# Altium PCB TK2560_PCB.PcbDoc (part 1 of 3) (continued)
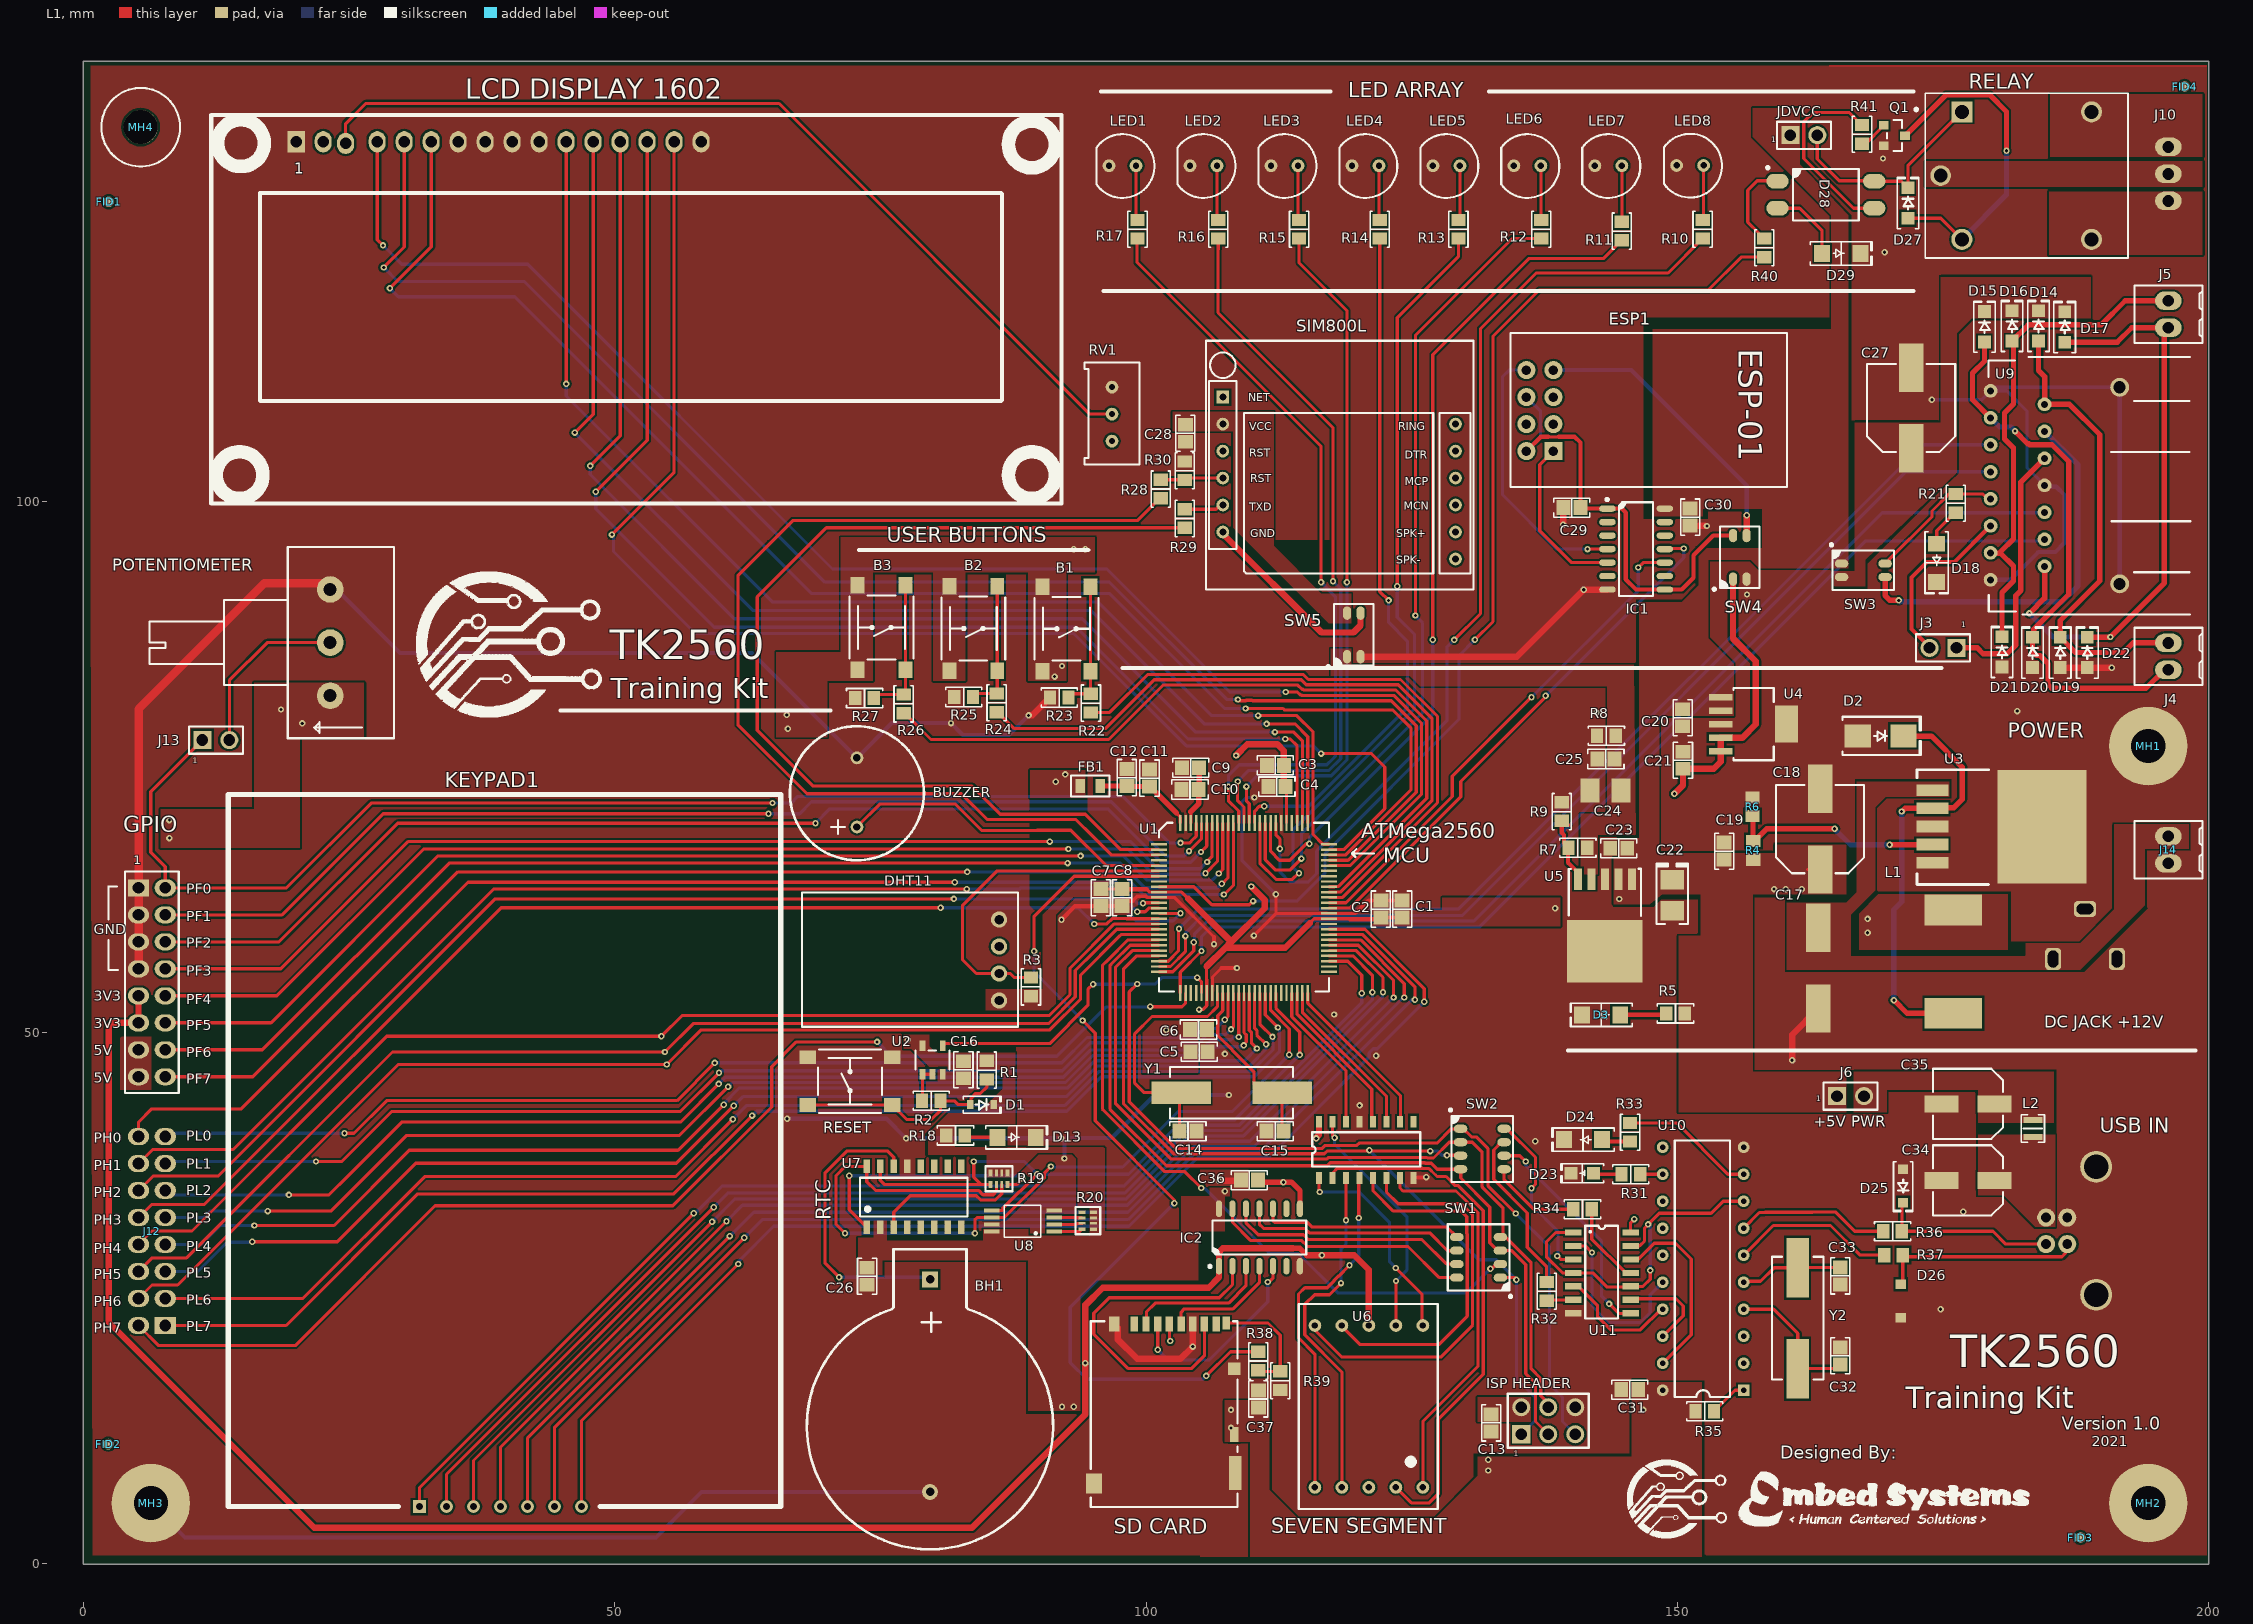
[diagram p0: L1 view]
## Footprints (in the part's own frame and the unit in brackets; to place one, negate y for a bottom-side part, rotate by r counter-clockwise, add the part's x,y. Pads: shape width x height; smd on the part's side, far side on the other; paste and mask are expansions set on the pad)
5MM_POT [mm]
  round 2.5 hole 1.22: 1(0,5) 2(0,0) 3(0,-5)
  silkscreen extent -6,-9 17,9, body extent -5.76,-10.02 23.24,10.22, height 23.48
7SEG_1DG [mm]
  round 1.2 hole 0.6: 1(-7.62,5.08) 2(-7.62,2.54) 3(-7.62,0) 4(-7.62,-2.54) 5(-7.62,-5.08) 6(7.62,-5.08) 7(7.62,-2.54) 8(7.62,0) 9(7.62,2.54) 10(7.62,5.08)
  silkscreen extent -9.65,-6.48 9.65,6.6, body extent -9.5,-6.35 9.5,6.35, height 8.01
"8-Pin TTSOP" [mm]
  rect 1.45x0.356 smd mask+0.051: 1(-2.95,0.982) 2(-2.95,0.327) 3(-2.95,-0.327) 4(-2.95,-0.982) 5(2.95,-0.982) 6(2.95,-0.327) 7(2.95,0.327) 8(2.95,0.982)
  silkscreen extent -1.68,-1.48 1.75,1.54, body extent -3.26,-1.48 3.2,1.52, height 1.2
14-SOIC_5.3MM [mm]
  rect 1.55x0.6 smd: 1(-2.7,3.81) 2(-2.7,2.54) 3(-2.7,1.27) 4(-2.7,0) 5(-2.7,-1.27) 6(-2.7,-2.54) 7(-2.7,-3.81) 8(2.7,-3.81) 9(2.7,-2.54) 10(2.7,-1.27) 11(2.7,0) 12(2.7,1.27) 13(2.7,2.54) 14(2.7,3.81)
  silkscreen extent -1.57,-4.27 1.51,4.44, body extent -3.08,-4.37 2.92,4.43, height 1.7
"16 SO" [mm]
  rect 1.27x0.635 smd mask+0.051: 1(-2.86,4.445) 2(-2.86,3.175) 3(-2.86,1.905) 4(-2.86,0.635) 5(-2.86,-0.635) 6(-2.86,-1.905) 7(-2.86,-3.175) 8(-2.86,-4.445) 9(2.86,-4.445) 10(2.86,-3.175) 11(2.86,-1.905) 12(2.86,-0.635) 13(2.86,0.635) 14(2.86,1.905) 15(2.86,3.175) 16(2.86,4.445)
  silkscreen extent -1.87,-5.03 1.79,5.08, body extent -3.07,-4.95 2.93,4.95, height 1.4
100pinTQFP [mm]
  rect 1.52x0.23 smd mask+0.05: 1(-8,6) 2(-8,5.5) 3(-8,5) 4(-8,4.5) 5(-8,4) 6(-8,3.5) 7(-8,3) 8(-8,2.5) 9(-8,2) 10(-8,1.5) 11(-8,1) 12(-8,0.5) 13(-8,0) 14(-8,-0.5) 15(-8,-1) 16(-8,-1.5) 17(-8,-2) 18(-8,-2.5) 19(-8,-3) 20(-8,-3.5) 21(-8,-4) 22(-8,-4.5) 23(-8,-5) 24(-8,-5.5) 25(-8,-6) 51(8,-6) 52(8,-5.5) 53(8,-5) 54(8,-4.5) 55(8,-4) 56(8,-3.5) 57(8,-3) 58(8,-2.5) 59(8,-2) 60(8,-1.5) 61(8,-1) 62(8,-0.5) 63(8,0) 64(8,0.5) 65(8,1) 66(8,1.5) 67(8,2) 68(8,2.5) 69(8,3) 70(8,3.5) 71(8,4) 72(8,4.5) 73(8,5) 74(8,5.5) 75(8,6)
  rect 0.23x1.52 smd mask+0.05: 26(-6,-8) 27(-5.5,-8) 28(-5,-8) 29(-4.5,-8) 30(-4,-8) 31(-3.5,-8) 32(-3,-8) 33(-2.5,-8) 34(-2,-8) 35(-1.5,-8) 36(-1,-8) 37(-0.5,-8) 38(0,-8) 39(0.5,-8) 40(1,-8) 41(1.5,-8) 42(2,-8) 43(2.5,-8) 44(3,-8) 45(3.5,-8) 46(4,-8) 47(4.5,-8) 48(5,-8) 49(5.5,-8) 50(6,-8) 76(6,8) 77(5.5,8) 78(5,8) 79(4.5,8) 80(4,8) 81(3.5,8) 82(3,8) 83(2.5,8) 84(2,8) 85(1.5,8) 86(1,8) 87(0.5,8) 88(0,8) 89(-0.5,8) 90(-1,8) 91(-1.5,8) 92(-2,8) 95(-3.5,8) 96(-4,8) 97(-4.5,8) 98(-5,8) 99(-5.5,8) 100(-6,8)
  rect 0.23x1.52 smd paste+0.051 mask+0.05: 93(-2.5,8) 94(-3,8)
  silkscreen extent -8,-7.84 8,8.03, body extent -8,-7.97 8,8.03, height 1.2
3296W_TrimPot [mm]
  round 1.2 hole 0.55: 1(0,2.54) 2(0,0) 3(0,-2.54)
  silkscreen extent -2.6,-4.86 2.6,4.74, body extent -2.41,-4.76 2.42,4.76, height 11.76
"ABRACON ABLS" [mm] "Crystal, 2-Leads, Body 4.70x11.40mm, Pitch 8.80mm, IPC Medium Density"
  rect 5.6x2.1 smd: 1(-4.75,0) 2(4.75,0)
  silkscreen extent -5.77,-2.43 5.77,2.43, body extent -6.35,-2.35 6.35,2.35, height 4.2
"Batt Holder" [mm]
  round 1.5 hole 0.8: 1(-10,0)
  rect 1.5x1.5 hole 0.8: 2(10,0)
  silkscreen extent -15.39,-11.59 12.83,11.59, body extent -14.8,-11.5 12.63,11.5, height 8.68
"BOURNS SRR1280" [mm] "Precision Wire Wound Inductor, 2-Leads, Body 12.50x12.50mm, IPC Medium Density"
  rect 2.9x5.4 smd: 1(-4.85,0) 2(4.85,0)
  body extent -6.25,-6.25 6.25,6.25, height 7.9
BUZZER [mm]
  round 1.2 hole 0.7: 1(-3.25,0) 2(3.25,0)
  silkscreen extent -6.38,-6.31 6.23,6.3, body extent -5.97,-5.97 6.03,6.03, height 9
C0805 [mm]
  rect 0.9x1.3 smd: 1(-0.95,0) 2(0.95,0)
  silkscreen extent -1.8,-1 1.8,1, body extent -0.97,-0.63 1.03,0.62, height 1.25
"C&K PTS645" [mm] "T-Switch, 4-leads, body 6x6mm, C&K PTS645SM43SMTR92 LFS"
  rect 1.55x1.3 smd mask+0.1: 1(-3.975,2.25) 2(3.975,2.25) 3(-3.975,-2.25) 4(3.975,-2.25)
  silkscreen extent -3,-3 3,3, body extent -4.5,-3 4.5,3, height 4.4
"CAP 0805_2012" [mm] "Chip Capacitor, 2-Leads, Body 2.00x1.20mm, IPC Medium Density"
  rect 1.3x1.4 smd mask+0.076: 1(-0.8,0) 2(0.8,0)
  silkscreen extent -1.7,-0.9 1.7,0.9, body extent -1,-0.64 1,0.64, height 1.26
"CAP ALSMD 6.6MM H5.4MM" [mm] "Aluminum Electrolytic Capacitor, Body 6.60x6.60x5.40mm, IPC Low Density"
  rect 3.2x1.6 smd mask+0.076: 1(-2.5,0) 2(2.5,0)
  silkscreen extent -3.3,-3.3 3.3,3.3, body extent -3.5,-3.3 3.5,3.3, height 5.4
"CAP ALSMD 8.3MM H10.5MM" [mm] "Aluminum Electrolytic Capacitor, Body 8.30x8.30x10.50mm, IPC Low Density"
  rect 4.55x2.3 smd mask+0.076: 1(-3.8,0) 2(3.8,0)
  body extent -4.95,-4.15 4.95,4.15, height 10.5
"CAP POL 1411_3528" [mm] "Molded Capacitor, 2-Leads, Body 3.50x2.80mm, IPC Medium Density"
  rect 1.8x2.23 smd mask+0.076: 1(-1.46,0) 2(1.46,0)
  silkscreen extent -3,-1.5 2.71,1.48, body extent -1.87,-1.45 1.86,1.45, height 2
COM-08653 [mm]
  rect 1.2x1.2 hole 0.65: 1(-7.62,0)
  round 1.2 hole 0.65: 2(-5.08,0) 3(-2.54,0) 4(0,0) 5(2.54,0) 6(5.08,0) 7(7.62,0)
  silkscreen extent -25.62,0 26.38,67, body extent -25.45,-3.02 25.55,66.48, height 13.3
"CTS 218-2LPJ" [mm] "DIP, 2 POS, Body 3.71x6.05mm, Pitch 1.27mm, IPC Medium Density"
  oval 1.27x0.76 smd: 1(-2.05,0.635) 2(-2.05,-0.635) 3(2.05,-0.635) 4(2.05,0.635)
  silkscreen extent -3.12,-1.85 2.9,2.52, body extent -3.15,-1.86 3.15,1.85, height 2.71
"CTS 218-4LPJ" [mm] "DIP, 6 POS, Body 8.79x6.05mm, Pitch 1.27mm, IPC Medium Density"
  oval 1.27x0.76 smd: 1(-2.05,1.905) 2(-2.05,0.635) 3(-2.05,-0.635) 4(-2.05,-1.905) 5(2.05,-1.905) 6(2.05,-0.635) 7(2.05,0.635) 8(2.05,1.905)
  silkscreen extent -3.13,-3.12 2.9,3.79, body extent -3.15,-3.13 3.15,3.12, height 2.71
"CUI PJ-102AH" [mm] "DC Barrel Jack W/ Switch 2.0x5.5"
  rrect50% 2.1x1.5 hole 1 slot 1.6 at 0 deg: 1(0,-6.5) 2(0,-0.5)
  rrect50% 1.5x2.1 hole 1 slot 1.6 at 90 deg: 3(-4.7,-3.5)
  body extent -4.92,-7.2 4.47,7.2, height 11
"D2PAK 5_LEAD" [mm]
  rect 3x1.1 smd: 1(-5.16,3.404) 2(-5.16,1.702) 3(-5.16,0) 4(-5.16,-1.702) 5(-5.16,-3.404)
  rect 8.38x10.66 smd: 5(5.16,-0.016)
  silkscreen extent -6.6,-5.46 0.13,5.33, body extent -5.97,-5.08 8.26,5.08, height 4.87
DBV_SOP_23_5 [mm]
  rect 1x0.55 smd: 1(-1.35,0.95) 2(-1.35,0) 3(-1.35,-0.95) 4(1.35,-0.95) 5(1.35,0.95)
  silkscreen extent -0.9,-1.6 0.9,1.6, body extent -1.6,-1.52 1.4,1.52, height 1.43
DCQ(R-PDSO-G6) [mm]
  rect 2.2x0.6 smd: 1(-3.1,2.54) 2(-3.1,1.27) 3(-3.1,0) 4(-3.1,-1.27) 5(-3.1,-2.54)
  rect 2.2x3.5 smd: 6(3.1,0)
  silkscreen extent -1.9,-3.4 1.9,3.4, body extent -3.63,-3.28 3.63,3.27, height 1.8
DHT11 [mil]
  round 60 hole 35: 1(0,150) 2(0,50) 3(0,-50) 4(0,-150)
  silkscreen extent -70,-250 730,247, body extent -13,-236 715,236, height 217
DIP20 [mm]
  rect 1.1x1.1 hole 0.5: 1(-3.81,11.43)
  round 1.1 hole 0.5: 2(-3.81,8.89) 3(-3.81,6.35) 4(-3.81,3.81) 5(-3.81,1.27) 6(-3.81,-1.27) 7(-3.81,-3.81) 8(-3.81,-6.35) 9(-3.81,-8.89) 10(-3.81,-11.43) 11(3.81,-11.43) 12(3.81,-8.89) 13(3.81,-6.35) 14(3.81,-3.81) 15(3.81,-1.27) 16(3.81,1.27) 17(3.81,3.81) 18(3.81,6.35) 19(3.81,8.89) 20(3.81,11.43)
  silkscreen extent -2.54,-12.06 2.67,12.06, body extent -3.94,-12.3 3.93,12.3, height 4.36
"DO214AA SMB" [mm] "Molded Diode, 2-Leads, Body 4.31x3.62mm, IPC Medium Density"
  rect 2.45x2.15 smd: 1(-2.15,0) 2(2.15,0)
  silkscreen extent -3.6,-1.8 3.8,1.8, body extent -2.6,-1.8 2.6,1.8, height 2.4
ESP-01 [mm]
  round 1.7 hole 0.9: 1(1.27,3.81) 2(1.27,1.27) 3(1.27,-1.27) 5(-1.27,3.81) 6(-1.27,1.27) 7(-1.27,-1.27) 8(-1.27,-3.81)
  rect 1.7x1.7 hole 0.9: 4(1.27,-3.81)
  silkscreen extent -2.77,-7.19 23.23,7.31, body extent -2.77,-7.25 22.03,7.25, height 7.88
"FCI USB 61729-1011BLF" [mm]
  round 1.7 hole 0.92 mask+0.064: 1(1.25,4.7) 4(1.25,2.71)
  round 1.7 hole 0.92 mask+0.051: 2(-1.25,4.7) 3(-1.25,2.71)
  round 3 hole 2.3: S(-6.02,0) S(6.02,0)
  body extent -6.56,-10.18 6.56,5.76, height 11
FID_40x120 [mil]
  round 40 smd paste-40 mask+40: 1(0,0)
HDR_1x2 [mm]
  rect 1.7x1.7 hole 1.1: 1(0,1.27)
  round 1.7 hole 1.1: 2(0,-1.27)
  silkscreen extent -1.29,-2.54 1.27,2.54, body extent -1.27,-2.54 1.27,2.54, height 8.45
HDR_2x3 [mm]
  rect 1.7x1.7 hole 1.1: 1(-1.27,2.54)
  round 1.7 hole 1.1: 2(1.27,2.54) 3(-1.27,0) 4(1.27,0) 5(-1.27,-2.54) 6(1.27,-2.54)
  silkscreen extent -2.54,-3.81 2.54,3.81, body extent -2.54,-3.81 2.54,3.81, height 8.96
HDR_2x8 [mm]
  rect 2x1.6 hole 1.1: 1(-1.257,8.89)
  oval 2x1.6 hole 1.1: 2(-1.257,6.35) 3(-1.257,3.81) 4(-1.257,1.27) 5(-1.257,-1.27) 6(-1.257,-3.81) 7(-1.257,-6.35) 8(-1.257,-8.89) 9(1.257,-8.89) 10(1.257,-6.35) 11(1.257,-3.81) 12(1.257,-1.27) 13(1.257,1.27) 14(1.257,3.81) 15(1.257,6.35) 16(1.257,8.89)
  silkscreen extent -2.53,-10.41 2.53,10.41, body extent -2.51,-10.41 2.51,10.31, height 8.51
"HIROSE DM3BT-DSF-PEJS" [mm]
  rect 0.7x1.4 smd: 1(-2.8,7.725) 2(-1.7,7.725) 3(-0.6,7.725) 4(0.5,7.725) 5(1.6,7.725) 6(2.7,7.725) 7(3.8,7.725)
  rect 0.7x1.4 smd mask+0.051: 8(4.9,7.725)
  rect 0.7x1.2 smd mask+0.051: 9(5.85,7.825)
  rect 0.8x1.4 smd: 10(6.6,-2.675)
  rect 1.5x1.9 smd: S(-6.6,-7.275)
  rect 1x1.4 smd: S(-4.7,7.725)
  rect 1.2x1.2 smd: S(6.6,3.525)
  rect 1.2x3.2 smd: S(6.7,-6.275)
  silkscreen extent -6.9,-9.5 6.9,8, body extent -6.92,-9.55 6.93,8, height 1.83
"IND 0806_2016" [mm] "Chip Capacitor, 2-Leads, Body 2.00x1.20mm, IPC Medium Density"
  rect 0.6x1.8 smd: 1(-0.8,0) 2(0.8,0)
  silkscreen extent -1.3,-1.1 1.3,1.1, body extent -1.01,-0.91 1.01,0.91, height 1.81
LCD1602 [mm]
  rect 1.6x2 hole 1.1: 1(-19.05,0.076)
  oval 1.6x2 hole 1.1: 2(-16.51,0.076) 3(-14.402,-0.076) 4(-11.43,0.076) 5(-8.89,0.076) 6(-6.35,0.076) 7(-3.81,0.076) 8(-1.27,0.076) 9(1.27,0.076) 10(3.81,0.076) 11(6.35,0.076) 12(8.89,0.076) 13(11.43,0.076) 14(13.97,0.076) 15(16.51,0.076) 16(19.05,0.076)
  silkscreen extent -27.05,-33.96 52.95,2.58, body extent -26.95,-33.88 53.05,2.12, height 14.35
"LED 0805_2012 GREEN" [mm] "Chip Diode, 2-Leads, Body 2.00x1.25mm, IPC Medium Density"
  rect 1.2x1.2 smd: 1(-1.05,0) 2(1.05,0)
  silkscreen extent -2.03,-0.9 2.03,0.9, body extent -1,-0.62 1,0.63, height 0.9
"LED 1206_3216 RED" [mm] "Chip Diode, 2-Leads, Body 3.13x1.55mm, IPC Medium Density"
  rect 1.5x1.6 smd: 1(-1.8,0) 2(1.8,0)
  silkscreen extent -2.92,-1.1 2.92,1.1, body extent -1.6,-0.8 1.6,0.8, height 0.9
LED_5mm [mm]
  round 1.2 hole 0.6: 1(0,1.27) 2(0,-1.27)
  silkscreen extent -2.97,-2.46 3.02,3, body extent -2.95,-2.5 2.95,2.95, height 8.61
"LITEON LTV-817" [mm] "SOP, 4-Leads, Body 4.60x6.50mm, Pitch 2.54mm, IPC Medium Density"
  oval 2.1x1.4 smd: 1(-4.55,1.27) 2(-4.55,-1.27) 3(4.55,-1.27) 4(4.55,1.27)
  silkscreen extent -5.59,-2.41 3.1,2.66, body extent -5.1,-2.3 5.1,2.3, height 3.85
MH_7.4MM_3.2MMD_NON_COPPER_NPTH [mm]
  round 3.2 hole 3.2 unplated: 1(0,0)
  silkscreen extent -3.7,-3.7 3.7,3.7
MH_7.4MMC_3.2MMD#1 [mm]
  round 7.4 hole 3.2: 1(0,0)
MH_7.4MMC_3.2MMD#2 [mm]
  round 7.4 hole 3.2: 1(0,3.695)
MH_7.4MMC_3.2MMD#3 [mm]
  round 7.4 hole 3.2: 1(0.4,-0.2)
Multiwatt15 [mm]
  round 1.3 hole 0.66: 1(-6.072,8.917) 2(-0.992,7.647) 3(-6.072,6.377) 4(-0.992,5.107) 5(-6.072,3.837) 6(-0.992,2.567) 7(-6.072,1.297) 8(-0.992,0.027) 9(-6.072,-1.243) 10(-0.992,-2.513) 11(-6.072,-3.783) 12(-0.992,-5.053) 13(-6.072,-6.323) 14(-0.992,-7.593) 15(-6.072,-8.863)
  round 1.778 hole 1.143: G(6.072,-9.247) G(6.072,9.247)
  silkscreen extent -6.27,-12.11 12.72,12.09, body extent -6.29,-12 12.72,12, height 25.01
"ON SEMI SOT-23-3" [mm] "SOT23, 3-Leads, Body 2.90x2.40mm, Pitch 0.95mm, IPC Medium Density"
  rect 0.9x0.8 smd: 1(-1,0.95) 2(-1,-0.95) 3(1,0)
  silkscreen extent -0.7,-1.45 0.7,1.45, body extent -1.16,-1.45 1.16,1.45, height 1
"RES 0805_2012" [mm] "Chip Resistor, 2-Leads, Body 2.00x1.25mm, IPC Medium Density"
  rect 1.15x1.35 smd: 1(-0.875,0) 2(0.875,0)
  silkscreen extent -1.7,-0.9 1.7,0.9, body extent -1,-0.62 1,0.63, height 0.6
"RESNET 0804-8 CONVEX" [mm] "4 resistor 2.0x1.0mm, 0.65mm high"
  rect 0.65x0.35 smd mask+0.051: 1(-0.55,0.8) 4(-0.55,-0.8) 5(0.55,-0.8) 8(0.55,0.8)
  rect 0.65x0.25 smd mask+0.051: 2(-0.55,0.25) 3(-0.55,-0.25) 6(0.55,-0.25) 7(0.55,0.25)
  silkscreen extent -1.17,-1.28 1.17,1.28, body extent -0.53,-1.02 0.53,1.03, height 0.56
SIM800L_BO [mm]
  rect 1.2x1.2 hole 0.65: 1(-10.95,7.62)
  round 1.2 hole 0.65: 2(-10.95,5.08) 3(-10.95,2.54) 4(-10.95,0) 5(-10.95,-2.54) 6(-10.95,-5.08) 7(10.95,-7.62) 8(10.95,-5.08) 9(10.95,-2.54) 10(10.95,0) 11(10.95,2.54) 12(10.95,5.08)
  silkscreen extent -12.55,-10.48 12.65,12.92, body extent -12.45,-10.35 12.55,12.79, height 6.85
SOD123F [mm] "SODFL, 2-Leads, Body 1.60x3.50mm, IPC Medium Density"
  rect 1.2x1.2 smd: 1(-1.43,0) 2(1.43,0)
  silkscreen extent -2.41,-1.02 2.41,1.02, body extent -1.75,-0.8 1.75,0.8, height 1.1
SOD323 [mm] "SOD, 2-Leads, Body 1.25x2.50mm, IPC Medium Density"
  rect 0.625x0.83 smd: 1(-1.112,0) 2(1.112,0)
  silkscreen extent -1.78,-0.8 1.78,0.8, body extent -1.36,-0.62 1.36,0.62, height 1.05
SOD-123 [mm] "SOD, 2-Leads, Body 1.55x3.70mm, IPC Medium Density"
  rect 0.9x0.95 smd: 1(-1.575,0) 2(1.575,0)
  silkscreen extent -2.3,-0.92 2.41,0.92, body extent -1.86,-0.78 1.86,0.77, height 1.35
SOIC-16 [mm]
  rect 1.12x0.58 smd: 1(-2.64,4.445) 2(-2.64,3.175) 3(-2.64,1.905) 4(-2.64,0.635) 5(-2.64,-0.635) 6(-2.64,-1.905) 7(-2.64,-3.175) 8(-2.64,-4.445) 9(2.64,-4.445) 10(2.64,-3.175) 11(2.64,-1.905) 12(2.64,-0.635) 13(2.64,0.635) 14(2.64,1.905) 15(2.64,3.175) 16(2.64,4.445)
  silkscreen extent -1.57,-5.08 1.65,5.08, body extent -2.97,-4.98 3.03,4.92, height 1.4
SRD-05VDC [mm]
  rect 1.98x1.98 hole 1.32: A1(-5.1,6)
  round 1.98 hole 1.32: A2(-5.1,-6) NC(7.1,6) NO(7.1,-6)
  round 1.935 hole 1.29: COM(-7.1,0)
  silkscreen extent -9.52,-7.75 10.55,7.75, body extent -8.33,-7.54 10.36,7.54, height 14.94
"TE 282834-2" [mm]
  oval 1.75x2.5 hole 1.1: 1(-1.27,0) 2(1.27,0)
  silkscreen extent -2.7,-3.2 2.7,3.2, body extent -2.77,-3.25 2.77,3.25, height 10
"TE 282834-3" [mm]
  oval 1.75x2.5 hole 1.1: 1(-2.54,0) 2(0,0) 3(2.54,0)
  body extent -4.04,-3.25 4.04,3.25, height 10
"TI SOIC-14 D" [mm] "SOP, 14-Leads, Body 8.65x3.90mm, Pitch 1.27mm, IPC Medium Density"
  oval 1.55x0.6 smd: 1(-2.7,3.81) 2(-2.7,2.54) 3(-2.7,1.27) 4(-2.7,0) 5(-2.7,-1.27) 6(-2.7,-2.54) 7(-2.7,-3.81) 8(2.7,-3.81) 9(2.7,-2.54) 10(2.7,-1.27) 11(2.7,0) 12(2.7,1.27) 13(2.7,2.54) 14(2.7,3.81)
  silkscreen extent -2.85,-4.4 1.6,4.78, body extent -3.01,-4.33 3.01,4.32, height 1.65
TO-252-5 [mm]
  rect 2x0.76 smd: 1(-3.387,2.54) 2(-3.387,1.27) 3(-3.387,0) 4(-3.387,-1.27) 5(-3.387,-2.54)
  rect 5.85x7.1 smd: 6(3.388,0)
  silkscreen extent -4.38,-3.4 0.07,3.4, body extent -4.38,-3.25 7.03,3.25, height 2.45

## Part data
B1 B2 B3 RESET: "SWITCH TACTILE SPST-NO 0.05A 12V", Contact Rating @ Voltage="0.05A @ 12VDC", Manufacturer=C&K, Operating Force=160gf, Operating Temperature="-20°C ~ 60°C", Supplier Part Number 1=CKN9112CT-ND, Actuator Height off PCB, Vertical=4.30mm, Actuator Orientation="Top Actuated", Actuator Type=Standard, Circuit=SPST-NO, ComponentLink1Description=Datasheet, ComponentLink1URL=https://dznh3ojzb2azq.cloudfront.net/products/Tactile/PTS645/documents/datasheet.pdf, ComponentLink2Description="DigiKey Link", ComponentLink2URL=http://digikey.com/product-detail/en/c-k/PTS645SM43SMTR92-LFS/CKN9112CT-ND/1146934, Features="Blue Actuator", Illumination=Non-Illuminated, LastUpdated="09/04/2020 09:59:00", Lifecycle Status=Active, Minimum Order=1, Mounting Type="Surface Mount", Outline="6.00mm x 6.00mm", Packaging=TapeAndReel, Part Number="PTS645SM43SMTR92 LFS", Part Status=Active, Price=0.09, Series=PTS645, Supplier 1=DigiKey, Switch Function=Off-Mom, Termination Style="Gull Wing"
BH1: "BATTERY HOLDER COIN 20MM PC PIN", Manufacturer="Memory Protection Devices", Manufacturer Part Number=BS-7, Max Operating Temperature=105°C, Min Operating Temperature=-55°C, Package Quantity=100, Supplier Part Number 1=BS-7-ND, Category="Batteries and Accessories", ComponentLink1Description=https://datasheet.ciiva.com/3/bs-7-datasheet-3824.pdf?src-supplier=Digi-Key, ComponentLink1URL=https://datasheet.ciiva.com/3/bs-7-datasheet-3824.pdf?src-supplier=Digi-Key, Diameter=20mm, Lead Free="Lead Free", Mount="Through Hole,PCB", Number of Cells=1, Pricing 1="1=0.78000, 10=0.66000, 50=0.57880, 100=0.54570, 250=0.50236, 500=0.47176, 1000=0.44115, 2500=0.40290, 5000=0.37230 (USD)", RoHS=No, Stock 1=55851, Supplier 1=Digi-Key, Termination="PC Pin"
BUZZER: "AUDIO MAGNETIC XDCR 3-7V TH", Frequency=2.4kHz, Manufacturer="Projects Unlimited", Manufacturer Part Number=AT-1224-TWT-5V-2-R, Max Operating Temperature=70°C, Max Supply Current=40mA, Min Operating Temperature=-30°C, Supplier Part Number 1=668-1470-ND, Voltage Rating=5V, Category="Audio Products", ComponentLink1Description=http://www.mouser.com/ds/2/334/AT-1224-TWT-5V-2-R-532234.pdf?src-supplier=Mouser, ComponentLink1URL=http://www.mouser.com/ds/2/334/AT-1224-TWT-5V-2-R-532234.pdf?src-supplier=Mouser, ComponentLink2Description=http://www.puiaudio.com/pdf/AT-1224-TWT-5V-2-R.pdf?src-supplier=Digi-Key, ComponentLink2URL=http://www.puiaudio.com/pdf/AT-1224-TWT-5V-2-R.pdf?src-supplier=Digi-Key, ComponentLink3Description=http://www.puiaudio.com/pdf/AT-1224-TWT-5V-2-R.pdf?src-supplier=Avnet, ComponentLink3URL=http://www.puiaudio.com/pdf/AT-1224-TWT-5V-2-R.pdf?src-supplier=Avnet, Contact Plating=Tin, Diameter=12mm, Height=9mm, Mount="Through Hole", Operating Supply Current=40mA, Packaging=Tray, Pricing 1="1=0.61000, 5=0.54600, 10=0.52000, 25=0.48640, 50=0.46120, 100=0.43680, 500=0.38252, 1000=0.36032, 5000=0.31168 (USD)", RoHS=Yes, Sensing Method=Magnetic, Stock 1=83564, Supplier 1=Digi-Key, Termination="PC Pins"
C1 C3 C5 C7 C9 C11 C20 C21: library part 0805BW106K160NGT, "CAP CER 10UF 16V X5R 0805", Device Package="0805 (2012 Metric)", Manufacturer="Knowles Novacap", Operating Temperature="-55°C ~ 85°C", Supplier Part Number 1=1763-1170-1-ND, Temperature Coefficient=X5R, Tolerance=±10%, Voltage - Rated=16V, Applications="General Purpose", Capacitance=10µF, ComponentLink1Description=Datasheet, ComponentLink1URL=https://www.knowlescapacitors.com/getattachment/6c8d48ef-fc2b-4752-ae2c-ce6c208de0c4/High-Capacitance-Chip.aspx, ComponentLink2Description="DigiKey Link", ComponentLink2URL=http://digikey.com/product-detail/en/knowles-novacap/0805BW106K160NGT/1763-1170-1-ND/7303990, Features="Gold Flash Termination", LastUpdated="02/09/2020 01:04:27", Lifecycle Status=Active, Minimum Order=1, Mounting Type="Surface Mount, MLCC", Package / Case="0805 (2012 Metric)", Packaging=TapeAndReel, Part Number=0805BW106K160NGT, Part Status=Active, PartId=10571, Price=1.32, Series=-, Size / Dimension="0.080\" L x 0.050\" W (2.03mm x 1.27mm)", Supplier 1=DigiKey, Thickness (Max)="0.054\" (1.37mm)"
C2 C4 C6 C8 C10 C12 C13 C25 C26 C28 C29 C30 C31 C36 C37: library part AC0805KKX8R9BB104, "CAP CER 0805 10% X8R 50V 100NF", Capacitance=0.1µF, Device Package="0805 (2012 Metric)", Manufacturer=Yageo, Operating Temperature="-55°C ~ 150°C", Ratings=AEC-Q200, Supplier Part Number 1=311-4624-1-ND, Temperature Coefficient=X8R, Tolerance=±10%, Voltage - Rated=50V, Applications=Automotive, ComponentLink1Description=Datasheet, ComponentLink1URL=http://www.yageo.com/documents/recent/AC0805KKX8R9BB104.pdf, ComponentLink2Description="DigiKey Link", ComponentLink2URL=http://digikey.com/product-detail/en/yageo/AC0805KKX8R9BB104/311-4624-1-ND/9699550, LastUpdated="02/09/2020 01:04:20", Lifecycle Status=Active, Minimum Order=1, Mounting Type="Surface Mount, MLCC", Package / Case="0805 (2012 Metric)", Packaging=TapeAndReel, Part Number=AC0805KKX8R9BB104, Part Status=Active, PartId=14076, Price=0.06, Series=AC, Size / Dimension="0.079\" L x 0.049\" W (2.00mm x 1.25mm)", Supplier 1=DigiKey, Thickness (Max)="0.057\" (1.45mm)"
C14 C15: library part 08051A220GAT2A, "CAP CER 22PF 100V C0G/NP0 0805", Device Package="0805 (2012 Metric)", Manufacturer="AVX Corporation", Operating Temperature="-55°C ~ 125°C", Supplier Part Number 1=478-10819-1-ND, Temperature Coefficient="C0G, NP0", Tolerance=±2%, Voltage - Rated=100V, Applications="General Purpose", Capacitance=22pF, ComponentLink1Description=Datasheet, ComponentLink1URL=http://datasheets.avx.com/C0GNP0-Dielectric.pdf, ComponentLink2Description="DigiKey Link", ComponentLink2URL=http://digikey.com/product-detail/en/avx-corporation/08051A220GAT2A/478-10819-1-ND/7536356, LastUpdated="02/09/2020 01:04:39", Lifecycle Status=Active, Minimum Order=1, Mounting Type="Surface Mount, MLCC", Package / Case="0805 (2012 Metric)", Packaging=TapeAndReel, Part Number=08051A220GAT2A, Part Status=Active, PartId=3991, Price=0.10, Series=-, Size / Dimension="0.079\" L x 0.049\" W (2.01mm x 1.25mm)", Supplier 1=DigiKey, Thickness (Max)="0.037\" (0.94mm)"
C16: library part AC0805KKX8R9BB104, "CAP CER 0805 10% X8R 50V 100NF", Device Package="0805 (2012 Metric)", Manufacturer=Yageo, Operating Temperature="-55°C ~ 150°C", Ratings=AEC-Q200, Supplier Part Number 1=311-4624-1-ND, Temperature Coefficient=X8R, Tolerance=±10%, Voltage - Rated=50V, Applications=Automotive, Capacitance=0.1µF, ComponentLink1Description=Datasheet, ComponentLink1URL=http://www.yageo.com/documents/recent/AC0805KKX8R9BB104.pdf, ComponentLink2Description="DigiKey Link", ComponentLink2URL=http://digikey.com/product-detail/en/yageo/AC0805KKX8R9BB104/311-4624-1-ND/9699550, LastUpdated="02/09/2020 01:04:20", Lifecycle Status=Active, Minimum Order=1, Mounting Type="Surface Mount, MLCC", Package / Case="0805 (2012 Metric)", Packaging=TapeAndReel, Part Number=AC0805KKX8R9BB104, Part Status=Active, PartId=14076, Price=0.06, Series=AC, Size / Dimension="0.079\" L x 0.049\" W (2.00mm x 1.25mm)", Supplier 1=DigiKey, Thickness (Max)="0.057\" (1.45mm)"
C17: library part UWZ1H101MCL1GS, "CAP ALUM 100UF 20% 50V SMD", Device Package="Radial, Can - SMD", Lifetime @ Temp.="1000 Hrs @ 105°C", Manufacturer=Nichicon, Operating Temperature="-55°C ~ 105°C", Ripple Current @ High Frequency="210mA @ 10kHz", Ripple Current @ Low Frequency="140mA @ 120Hz", Supplier Part Number 1=493-6336-1-ND, Tolerance=±20%, Voltage - Rated=50V, Applications="High Temperature Reflow", Capacitance=100µF, ComponentLink1Description=Datasheet, ComponentLink1URL=http://nichicon-us.com/english/products/pdfs/e-uwz.pdf, ComponentLink2Description="DigiKey Link", ComponentLink2URL=http://digikey.com/product-detail/en/nichicon/UWZ1H101MCL1GS/493-6336-1-ND/3438850, Height - Seated (Max)="0.413\" (10.50mm)", LastUpdated="02/09/2020 01:25:15", Lifecycle Status=Active, Minimum Order=1, Mounting Type="Surface Mount", Package / Case="Radial, Can - SMD", Packaging=TapeAndReel, Part Number=UWZ1H101MCL1GS, Part Status=Active, PartId=7569, Polarization=Polar, Price=0.20, Series=UWZ, Size / Dimension="0.315\" Dia (8.00mm)", Supplier 1=DigiKey, Surface Mount Land Size="0.327\" L x 0.327\" W (8.30mm x 8.30mm)"
C18: library part UUR1E221MNL6GS, "CAP ALUM 220UF 20% 25V SMD", Device Package="Radial, Can - SMD", Lifetime @ Temp.="2000 Hrs @ 85°C", Manufacturer=Nichicon, Operating Temperature="-40°C ~ 85°C", Ripple Current @ High Frequency="301.6mA @ 10kHz", Ripple Current @ Low Frequency="232mA @ 120Hz", Supplier Part Number 1=493-6222-1-ND, Tolerance=±20%, Voltage - Rated=25V, Applications="General Purpose", Capacitance=220µF, ComponentLink1Description=Datasheet, ComponentLink1URL=http://nichicon-us.com/english/products/pdfs/e-uur.pdf, ComponentLink2Description="DigiKey Link", ComponentLink2URL=http://digikey.com/product-detail/en/nichicon/UUR1E221MNL6GS/493-6222-1-ND/3438735, Height - Seated (Max)="0.413\" (10.50mm)", LastUpdated="02/09/2020 01:25:16", Lifecycle Status=Active, Minimum Order=1, Mounting Type="Surface Mount", Package / Case="Radial, Can - SMD", Packaging=TapeAndReel, Part Number=UUR1E221MNL6GS, Part Status=Active, PartId=7456, Price=0.19, Series=UUR, Size / Dimension="0.315\" Dia (8.00mm)", Supplier 1=DigiKey, Surface Mount Land Size="0.327\" L x 0.327\" W (8.30mm x 8.30mm)"
C19: library part 160R15W104KV4T, "CAP CER 0.1UF 16V X7R 0805", Device Package="0805 (2012 Metric)", Manufacturer="Johanson Dielectrics Inc.", Operating Temperature="-55°C ~ 125°C", Supplier Part Number 1=709-1183-1-ND, Temperature Coefficient=X7R, Tolerance=±10%, Voltage - Rated=16V, Applications="General Purpose", Capacitance=0.1µF, ComponentLink1Description=Datasheet, ComponentLink1URL=https://www.johansondielectrics.com/downloads/catalog/johanson-dielectrics-product-catalog.pdf, ComponentLink2Description="DigiKey Link", ComponentLink2URL=http://digikey.com/product-detail/en/johanson-dielectrics-inc/160R15W104KV4T/709-1183-1-ND/1859515, LastUpdated="02/09/2020 01:04:30", Lifecycle Status=Active, Minimum Order=1, Mounting Type="Surface Mount, MLCC", Package / Case="0805 (2012 Metric)", Packaging=TapeAndReel, Part Number=160R15W104KV4T, Part Status=Active, PartId=9125, Price=0.03, Series=-, Size / Dimension="0.080\" L x 0.050\" W (2.03mm x 1.27mm)", Supplier 1=DigiKey, Thickness (Max)="0.050\" (1.27mm)"